# Altium PCB Audio_Research.PcbDoc (part 3 of 4)
Units mil, origin at the board's own origin, x right, y up, seen from the top; angles counter-clockwise.
Board outline 4000 x 3000 mil, 4 copper layers (Top Layer, Signal Layer 1, Signal Layer 2, Bottom Layer), stack 64.6 mil thick; 295 components, 284 nets, 1359 pads, 585 vias.
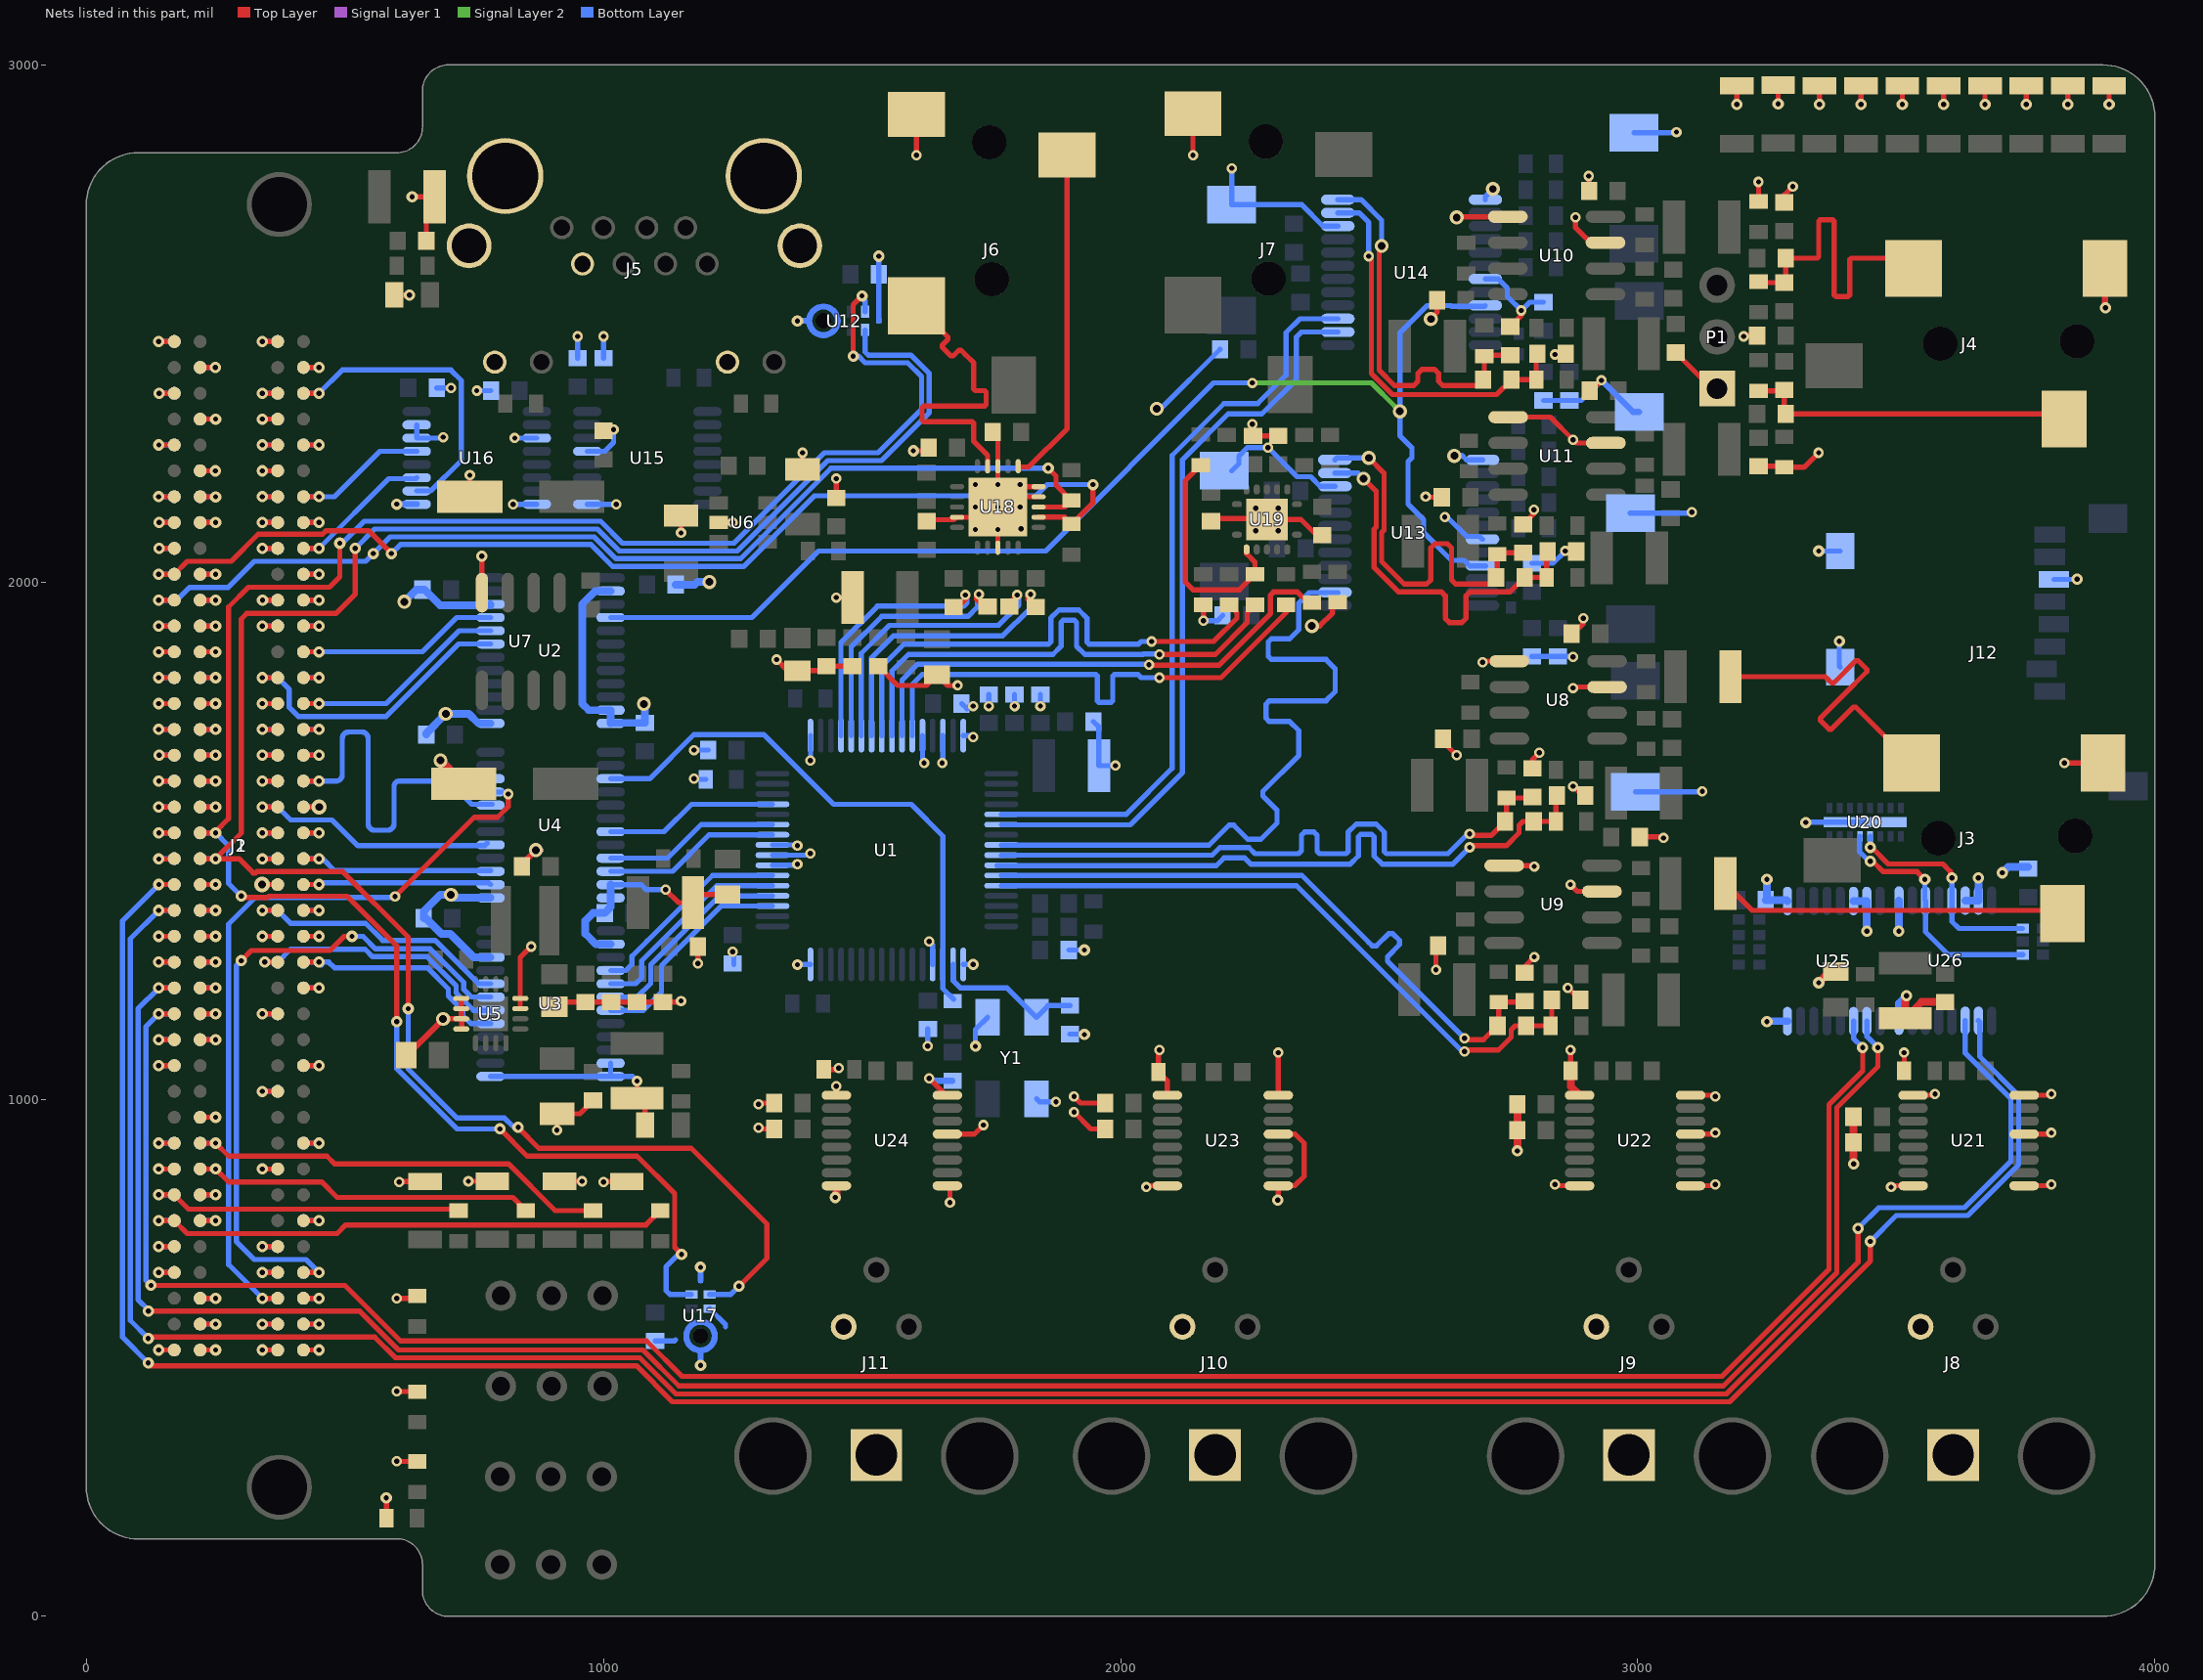
[diagram p5: the nets of this part, all layers, seen from the top]

## Via types
v1: diameter 22, hole 10, Top Layer to Bottom Layer, tented both sides, 366 vias
v2: diameter 20, hole 10, Top Layer to Bottom Layer, tented both sides, 170 vias
v3: diameter 27, hole 15, Top Layer to Bottom Layer, tented both sides, 32 vias
v4: diameter 30, hole 15, Top Layer to Bottom Layer, tented both sides, 7 vias
v5: diameter 75, hole 50, Top Layer to Bottom Layer, tented both sides, 4 vias
v6: diameter 20, hole 10, Top Layer to Bottom Layer, 3 vias
v7: diameter 35, hole 15, Top Layer to Bottom Layer, tented both sides, 3 vias

## Nets (pads, with @x,y where several pads share a name; then routed paths per layer and width w, separated by ;. In a path a pad name is that pad's centre, name@x,y a point inside that pad or via, vN(x,y) a via of type N, cw(c..) or ccw(c..) an arc to the next point about the centre after c; other vN are vias at no path point) (continued)
AGND: C1.1 C2.1 C3.1 C5.2 C7.2 C8.1 C9.1 C10.2 C11.2 C12.2 C13.1 C14.2 C15.2 C16.2 C17.2 C18.2 C19.2 C20.2 C21.2 C22.1 C23.1 C24.2 C25.1 C26.1 C27.1 C28.1 C29.1 C30.1 C31.1 C32.2 C33.1 C35.1 C36.1 C37.1 C38.1 C39.1 C40.1 C41.1 C42.1 C43.1 C44.1 C45.2 C46.2 C48.2 C49.2 C51.1 C52.2 C57.1 C58.1 C60.1 C62.2 C66.1 C67.1 C69.1 C70.2 C74.2 C75.1 C78.1 C80.2 C81.1 C84.1 C85.2 C89.2 C92.1 C93.1 C94.1 C95.1 C96.1 C97.1 C98.1 C99.1 C100.2 C103.1 C104.1 C105.1 C106.1 C107.1 C108.1 C109.2 C112.2 C113.1 C114.2 C115.2 C116.1 C117.2 C119.2 C122.2 C123.1 C126.1 C127.1 C128.2 C129.2 C130.2 C132.2 C133.2 C135.2 C136.2 C138.2 C139.2 C141.2 C142.2 C143.2 D1.2 D2.2 D3.2 D4.2 D5.2 D6.2 D7.2 D8.2 D9.2 D10.2 D11.2 D12.2 D13.2 D14.2 D15.2 D16.2 D17.2 D18.2 D19.2 J1.C1 J1.C4 J1.C5 J1.C8 J1.C9 J1.C12 J1.C13 J1.C16 J1.C17 J1.C20 J1.C21 J1.C24 J1.C25 J1.C28 J1.C29 J1.C32 J1.C33 J1.C36 J1.C38 J1.C40 J1.D2 J1.D3 J1.D6 J1.D7 J1.D10 J1.D13 J1.D16 J1.D19 J1.D22 J1.D25 J1.D28 J1.D37 J1.D39 J1.G1 J1.G4 J1.G5 J1.G8 J1.G11 J1.G14 J1.G17 J1.G20 J1.G23 J1.G26 J1.G29 J1.G32 J1.G35 J1.G38 J1.G40 J1.H3 J1.H6 J1.H9 J1.H12 J1.H15 J1.H18 J1.H21 J1.H24 J1.H27 J1.H30 J1.H33 J1.H36 J1.H39 J2.C1 J2.C4 J2.C5 J2.C8 J2.C9 J2.C12 J2.C13 J2.C16 J2.C17 J2.C20 J2.C21 J2.C24 J2.C25 J2.C28 J2.C29 J2.C32 J2.C33 J2.C36 J2.C38 J2.C40 J2.D2 J2.D3 J2.D6 J2.D7 J2.D10 J2.D13 J2.D16 J2.D19 J2.D22 J2.D25 J2.D28 J2.D37 J2.D39 J2.G1 J2.G4 J2.G5 J2.G8 J2.G11 J2.G14 J2.G17 J2.G20 J2.G23 J2.G26 J2.G29 J2.G32 J2.G35 J2.G38 J2.G40 J2.H3 J2.H6 J2.H9 J2.H12 J2.H15 J2.H18 J2.H21 J2.H24 J2.H27 J2.H30 J2.H33 J2.H36 J2.H39 J3.1 J4.1 J5.2 J5.10 J5.12 J5.13 J5.14 J6.1 J7.1 J8.1 J8.4 J9.1 J9.4 J10.1 J10.4 J11.1 J11.4 J12.6 J12.10 P1.1 R5.1 R15.2 R16.2 R19.2 R20.2 R37.1 R46.1 R66.2 R75.1 R76.2 R77.2 R78.2 R79.2 U1.1 U1.4 U1.16 U1.23 U1.24 U1.25 U1.33 U1.44 U1.46 U1.48 U2.2 U2.11 U2.12 U2.13 U2.22 U3.2 U3.11 U3.12 U3.13 U3.22 U4.11 U4.12 U4.13 U4.22 U5.5 U5.6 U5.7 U5.8 U5.15 U5.16 U6.5 U7.4 U8.3 U8.5 U9.3 U9.5 U10.3 U10.5 U11.3 U11.5 U12.3 U13.1 U13.7 U13.22 U14.1 U14.7 U14.22 U15.9 U15.13 U16.3 U16.8 U16.9 U16.14 U16.15 U17.2 U17.3 U18.3 U18.9 U18.10 U18.13 U18.19 U18.21 U19.15 U20.17 U21.1 U21.5 U21.8 U21.9 U21.16 U22.1 U22.5 U22.8 U22.9 U22.16 U23.1 U23.5 U23.8 U23.9 U23.16 U24.1 U24.5 U24.8 U24.9 U24.16 U25.8 U25.9 U25.14 U25.15 U26.8 U26.9 U26.14 U26.15 Y1.2 Y1.4 | length 17000.6
  Top Layer w10: v1(140,515) J1.C1@170,515 ; v1(140,665) J1.C4@170,665 ; v1(140,715) J1.C5@170,715 ; v1(140,865) J1.C8@170,865 ; v1(140,915) J1.C9@170,915 ; v1(140,1065) J1.C12@170,1065 ; v1(140,1115) J1.C13@170,1115 ; v1(140,1265) J1.C16@170,1265 ; v1(140,1315) J1.C17@170,1315 ; v1(140,1715) J1.C25@170,1715 ; v1(140,1865) J1.C28@170,1865 ; v1(140,1915) J1.C29@170,1915 ; v1(140,2465) J1.C40@170,2465 ; v1(140.16,1464.45) 169.45,1464.45 J1.C20@170,1465 ; v1(140.16,1515) J1.C21@170,1515 ; v1(140.16,2265) J1.C36@170,2265 ; v1(140.71,1665) J1.C24@170,1665 ; v1(140.71,2065) J1.C32@170,2065 ; v1(140.71,2115) J1.C33@170,2115 ; v1(140.71,2365) J1.C38@170,2365 ; J1.D2@220,565 v1(250,565) ; J1.D3@220,615 v1(250,615) ; J1.D6@220,765 v1(250,765) ; J1.D7@220,815 v1(250,815) ; J1.D10@220,965 v1(250,965) ; J1.D13@220,1115 v1(250,1115) ; J1.D16@220,1265 v1(250,1265) ; J1.D19@220,1415 v1(250,1415) ; J1.D22@220,1565 v1(250,1565) ; J1.D25@220,1715 v1(250,1715) ; J1.D28@220,1865 v1(250,1865) ; J1.D37@220,2315 v1(250,2315) ; J1.D39@220,2415 v1(249.68,2415) ; v1(340,515) J1.G1@370,515 ; v1(340,665) J1.G4@370,665 ; v1(340,715) J1.G5@370,715 ; v1(340,1015) J1.G11@370,1015 ; v1(340,1165) J1.G14@370,1165 ; v1(340,1315) J1.G17@370,1315 ; v1(340,1615) J1.G23@370,1615 ; v1(340,1765) J1.G26@370,1765 ; v1(340,2215) J1.G35@370,2215 ; v1(340,2365) J1.G38@370,2365 ; v1(340,2465) J1.G40@370,2465 ; v1(340.24,865) J1.G8@370,865 ; v1(340.24,1464.45) 369.45,1464.45 J1.G20@370,1465 ; v1(340.24,1915) J1.G29@370,1915 ; v1(340.24,2065) J1.G32@370,2065 ; J1.H3@420,615 v1(449.76,615) ; J1.H6@420,765 v1(449.76,765) ; J1.H9@420,915 v1(449.76,915) ; J1.H12@420,1065 v1(449.76,1065) ; J1.H15@420,1215 v1(449.76,1215) ; J1.H18@420,1365 v1(449.76,1365) ; J1.H21@420,1515 v1(450,1515) ; J1.H24@420,1665 v1(449.76,1665) ; J1.H27@420,1815 v1(449.76,1815) ; J1.H30@420,1965 v1(450,1965) ; J1.H33@420,2115 v1(449.76,2115) ; J1.H36@420,2265 v1(449.76,2265) ; J1.H39@420,2415 v1(449.76,2415) ; v1(580,229) 580.47,228.53 R15.2@580.47,190 ; D2.2@595.55,2555 v1(625,2555) ; v2(600,300) 600.47,299.53 R16.2@640,299.53 ; v2(600,435) 600.47,434.53 R19.2@640,434.53 ; v2(600,615) 600.47,614.53 R20.2@640,614.53 ; v2(605,840) 605.79,840.79 D6.2@655,840.79 ; v1(630,2745) C38.1@673.15,2745 657.56,2729.41 C37.1@657.56,2660 ; v3(690,1155) 690.31,1155.32 725.83,1155.32 U5.8@725.83,1135.63 ; U5.7@725,1155.41 U5.6@725,1175.09 U5.5@725,1194.78 ; v2(738.74,841.26) D7.2@785,841.26 ; C45.2@741.57,2165 v2(741.57,2206.57) ; U7.4@765,1979.49 v1(765,2050) ; U5.15@839.17,1175.09 U5.16@839.17,1194.78 839.17,1274.17 v6(860,1295) ; C22.1@905.2,1178.5 914.13,1187.44 C23.1@965,1187.44 C24.2@1015,1187.44 C25.1@1065,1187.44 C26.1@1115,1187.44 1147.44,1187.44 v2(1150,1190) ; v2(910,940) C29.1@910,971.85 954.41,971.85 C35.1@980,997.44 ; D8.2@915,841.26 v2(958.74,841.26) ; v2(1000,840) 1000.79,840.79 D9.2@1045,840.79 ; C46.2@1000,2294.68 v2(1019.68,2294.68) ; v2(1065,1035) C36.1@1065,1001.85 1080.55,986.3 D1.2@1080.55,950 ; v2(1120,1405) 1145,1380 C44.1@1173.15,1380 ; v2(1150,2095) C21.2@1150,2128.39 ; v2(1182.56,1262.56) C43.1@1182.56,1295 ; C44.1@1182.56,1370.59 C44.1@1173.15,1380 ; U6.5@1222.76,2115.24 1249.76,2115.24 v2(1250,2115) ; D5.2@1240,1395.55 1188.7,1395.55 C44.1@1173.15,1380 ; v2(1300,945) 1302.5,942.5 C139.2@1330.16,942.5 ; v2(1300,990) 1302.5,992.5 C141.2@1330.16,992.5 ; v2(1335,1850) 1356.5,1828.5 C30.1@1375,1828.5 1422.36,1828.5 C41.1@1431.3,1837.44 C31.1@1481.61,1837.44 ; C27.1@1385,2218.15 v2(1385,2250) ; R79.2@1426.09,1057.5 1452.5,1057.5 v2(1455,1060) ; v2(1450,1025) 1450.43,1024.57 U24.9@1450.43,1007.5 ; v2(1450,1970) C42.1@1481.85,1970 ; C28.1@1450,2162.56 v2(1450,2200) ; C32.2@1531.61,1837.44 1569.06,1800 1624.45,1800 D4.2@1645,1820.55 1665.55,1800 v2(1685,1800) ; v1(1599.27,2253.66) C119.2@1628.78,2253.66 ; v2(1605,2825) 1605.28,2825.28 J6.1@1605.28,2904.37 ; C122.2@1625,2117.56 1625,2120.55 1677.61,2120.55 1682.37,2125.31 U18.19@1683.9,2125.31 1742.95,2125.31 v1(1762.64,2145) ; v2(1630,1040) 1662.5,1007.5 U24.8@1665,1007.5 ; U24.1@1665,832.5 1670,827.5 v2(1670,800) ; U24.5@1665,932.5 1717.5,932.5 v2(1735,950) ; C123.1@1753.47,2286.8 1762.64,2277.64 U18.13@1762.64,2223.74 v1(1762.64,2188.31) v1(1762.64,2145) ; U18.3@1762.64,2067.64 v1(1762.64,2101.69) v1(1762.64,2145) ; U18.9@1840,2164.69 U18.21@1782.32,2164.69 ; U18.10@1840,2184.37 1802.01,2184.37 U18.21@1782.32,2164.69 ; v2(1910,975) 1942.5,942.5 C136.2@1970.16,942.5 ; v2(1910,1005) 1922.5,992.5 C138.2@1970.16,992.5 ; v2(2050,830) 2052.5,832.5 U23.16@2090.43,832.5 ; v2(2075,1095) 2073.19,1093.19 R78.2@2073.19,1052.5 2090.43,1035.26 U23.9@2090.43,1007.5 ; v2(2140,2825) J7.1@2140,2905.47 ; v2(2160,1925) R66.2@2160,1955.94 ; C126.1@2175,2122.91 2281.1,2122.91 U19.15@2283.07,2120.95 2349.06,2120.95 2379.65,2090.35 C128.2@2390,2090.35 ; v2(2255,2305) 2256.22,2303.78 C127.1@2256.22,2282.56 C129.2@2305,2282.56 ; v1(2304,805) 2305,806 U23.1@2305,832.5 2336.5,832.5 2355,851 2355,915 2337.5,932.5 U23.5@2305,932.5 ; U23.8@2305,1007.5 v2(2305,1090) ; v3(2370,1915) 2385,1915 2410,1940 R75.1@2410,1955.47 ; v2@2591.1,2163.9 C93.1@2621.1,2163.9 ; v3(2600,2508.46) 2600,2510 2612.44,2522.44 C81.1@2612.44,2545 ; v2(2610,1250) C67.1@2610,1293.19 ; C58.1@2623.82,1691.18 v2(2650,1665) ; v3(2650,2705) 2651.34,2706.34 U10.5@2748.86,2706.34 ; v2(2700,1845) 2702.01,1847.01 U8.5@2751.89,1847.01 ; U9.5@2741.89,1451.69 2798.31,1451.69 v2(2800,1450) ; U11.5@2749.49,2318.9 2831.1,2318.9 v2(2875,2275) 2881.1,2268.9 U11.3@2938.46,2268.9 ; C78.1@2753.35,2493.9 2775,2515.55 v2(2775,2525) ; C92.1@2778.66,2111.46 2800,2132.8 2799.46,2133.34 v2(2799.46,2140) ; C66.1@2781.38,1244.57 2781.38,1256.38 v2(2800,1275) ; C57.1@2796.38,1639.57 2796.38,1656.38 v2(2810,1670) ; v2@2837.68,2440 v2(2840,2440) C70.2@2859.85,2440 ; v2(2840,835) 2842.5,832.5 U22.16@2887.72,832.5 ; v2(2860,2060) 2857.2,2060 2856.1,2058.9 C85.2@2881.22,2058.9 ; v2@2865.94,1215 C62.2@2888.94,1192.01 ; v2(2870,1095) 2870.47,1094.53 R77.2@2870.47,1055 ; v2(2870,1415) 2883.31,1401.69 U9.3@2930.87,1401.69 ; v2(2875,1605) 2892.99,1587.01 C52.2@2898.94,1587.01 ; v2(2875,1795) 2877.01,1797.01 U8.3@2940.87,1797.01 ; C51.1@2878.82,1903.82 2895,1920 v2(2895,1930) ; v2(2880,2705) 2880,2685 2908.66,2656.34 U10.3@2937.83,2656.34 ; C69.1@2906.1,2756.34 v2@2906.1,2783.9 ; C84.1@2906.42,2373.58 2913.58,2373.58 v2(2930,2390) ; C60.1@3003.94,1507.01 v2@3047.99,1507.01 ; C75.1@3073.66,2443.78 3143.54,2373.9 P1.1@3153.66,2373.9 ; U22.1@3102.28,832.5 3147.5,832.5 v2(3150,835) ; U22.5@3102.28,932.5 3147.5,932.5 v2(3150,935) ; U22.8@3102.28,1007.5 3147.5,1007.5 v2(3150,1005) ; v1(3191.72,2923.35) D19.2@3191.72,2959.76 ; v2(3205,2475) 3206.34,2476.34 C80.2@3231.1,2476.34 ; C89.2@3233.66,2223.78 3281.69,2223.78 R46.1@3283.66,2221.81 3321.81,2221.81 v2(3350,2250) ; R37.1@3233.66,2735.87 v2(3233.66,2773.66) ; v1(3271.72,2924.45) D18.2@3271.72,2960.87 ; C74.2@3283.66,2733.9 3283.66,2748.66 v2(3300,2765) ; v1(3351.72,2923.35) D17.2@3351.72,2959.76 ; v1(3431.72,2923.35) D16.2@3431.72,2959.76 ; v2(3490,830) 3492.5,832.5 U21.16@3532.72,832.5 ; v1(3511.72,2923.35) D15.2@3511.72,2959.76 ; v2(3515,1090) 3515.47,1089.53 R76.2@3515.47,1055 ; U21.9@3532.72,1007.5 3572.5,1007.5 v2(3575,1010) ; v1(3591.72,2923.35) D14.2@3591.72,2959.76 ; v1(3671.72,2923.35) D13.2@3671.72,2959.76 ; U21.1@3747.28,832.5 3797.5,832.5 v2(3800,835) ; U21.5@3747.28,932.5 3797.5,932.5 v2(3800,935) ; U21.8@3747.28,1007.5 3797.5,1007.5 v2(3800,1010) ; v1(3751.72,2923.35) D12.2@3751.72,2959.76 ; v2(3825,1650) J3.1@3900,1650 ; v1(3831.72,2923.35) D11.2@3831.72,2959.76 ; v1(3911.72,2923.35) D10.2@3911.72,2959.76 ; v1(1762.64,2145) U18.21@1782.32,2164.69
  Top Layer w11.81: C33.1@618.5,1085 620,1085 v3(690,1155) ; C49.2@835,1450 C49.2@842.44,1450 842.44,1454.51 v3(869.43,1481.5) ; J4.1@3898.62,2611.46 J4.1@3903.74,2606.34 3903.74,2530.95 v1(3904.69,2530)
  Top Layer w15: v3@685,1660 v3(685,1655) C48.2@730,1610 ; v1(1448.58,810) 1450.43,811.85 U24.16@1450.43,832.5 ; v1(2767.44,900) C133.2@2767.44,940 C135.2@2767.44,990 ; R77.2@2870.47,1055 2870.47,1024.74 U22.9@2887.72,1007.5 ; v1(3350,1225) 3371.61,1246.61 D3.2@3383,1246.61 ; C132.2@3417.16,966.16 C130.2@3417.16,916.16 3417.16,875.32 v1(3417.47,875) ; v1(3520,1200) 3517.72,1197.72 C40.1@3517.72,1156.6 3548.93,1187.82 C39.1@3594.72,1187.82
  Signal Layer 1 w10: v2(958.74,841.26) v2@960,840 ; v2@1445,1970 v2(1450,1970)
  Signal Layer 1 w11.81: v3(869.43,1481.5) v3@878.5,1481.5
  Bottom Layer w10: v1(140,515) J2.C1@170,515 ; v1(140,665) J2.C4@170,665 ; v1(140,715) J2.C5@170,715 ; v1(140,865) J2.C8@170,865 ; v1(140,915) J2.C9@170,915 ; v1(140,1065) J2.C12@170,1065 ; v1(140,1115) J2.C13@170,1115 ; v1(140,1265) J2.C16@170,1265 ; v1(140,1315) J2.C17@170,1315 ; v1(140,1715) J2.C25@170,1715 ; v1(140,1865) J2.C28@170,1865 ; v1(140,1915) J2.C29@170,1915 ; v1(140,2465) J2.C40@170,2465 ; v1(140.16,1464.45) 140.71,1465 J2.C20@170,1465 ; v1(140.16,1515) J2.C21@170,1515 ; v1(140.16,2265) J2.C36@170,2265 ; v1(140.71,1665) J2.C24@170,1665 ; v1(140.71,2065) J2.C32@170,2065 ; v1(140.71,2115) J2.C33@170,2115 ; v1(140.71,2365) J2.C38@170,2365 ; J2.D2@220,565 v1(250,565) ; J2.D3@220,615 v1(250,615) ; J2.D6@220,765 v1(250,765) ; J2.D7@220,815 v1(250,815) ; J2.D10@220,965 v1(250,965) ; J2.D13@220,1115 v1(250,1115) ; J2.D16@220,1265 v1(250,1265) ; J2.D19@220,1415 v1(250,1415) ; J2.D22@220,1565 v1(250,1565) ; J2.D25@220,1715 v1(250,1715) ; J2.D28@220,1865 v1(250,1865) ; J2.D37@220,2315 v1(250,2315) ; J2.D39@220,2415 v1(249.68,2415) ; v1(340,515) J2.G1@370,515 ; v1(340,665) J2.G4@370,665 ; v1(340,715) J2.G5@370,715 ; v1(340,1015) J2.G11@370,1015 ; v1(340,1165) J2.G14@370,1165 ; v1(340,1315) J2.G17@370,1315 ; v1(340,1615) J2.G23@370,1615 ; v1(340,1765) J2.G26@370,1765 ; v1(340,2215) J2.G35@370,2215 ; v1(340,2365) J2.G38@370,2365 ; v1(340,2465) J2.G40@370,2465 ; v1(340.24,865) J2.G8@370,865 ; v1(340.24,1464.45) 340.79,1465 J2.G20@370,1465 ; v1(340.24,1915) J2.G29@370,1915 ; v1(340.24,2065) J2.G32@370,2065 ; J2.H3@420,615 v1(449.76,615) ; J2.H6@420,765 v1(449.76,765) ; J2.H9@420,915 v1(449.76,915) ; J2.H12@420,1065 v1(449.76,1065) ; J2.H15@420,1215 v1(449.76,1215) ; J2.H18@420,1365 v1(449.76,1365) ; J2.H21@420,1515 v1(450,1515) ; J2.H24@420,1665 v1(449.76,1665) ; J2.H27@420,1815 v1(449.76,1815) ; J2.H30@420,1965 v1(450,1965) ; J2.H33@420,2115 v1(449.76,2115) ; J2.H36@420,2265 v1(449.76,2265) ; J2.H39@420,2415 v1(449.76,2415) ; U16.15@638.86,2303.98 U16.14@638.86,2278.39 688.39,2278.39 v2(690,2280) ; C115.2@677.56,2375.47 v2@704.53,2375.47 ; v2(755,2370) C114.2@782.44,2370 ; U3.13@781.6,1043.94 U3.12@1013.89,1043.94 ; v2(825,2150) 825.43,2150.43 U16.8@871.14,2150.43 ; v2(828.39,2278.39) U16.3@871.14,2278.39 ; C113.1@950,2433.03 v2(950,2475) ; U15.9@968.86,2150.43 v2(1024.57,2150.43) ; U15.13@968.86,2252.8 1002.8,2252.8 1019.68,2269.68 v2(1019.68,2294.68) ; C112.2@1000,2433.03 v2(1000,2475) ; U3.11@1013.89,1069.53 U3.12@1013.89,1043.94 ; U4.11@1013.89,1414.84 1072.97,1414.84 1082.82,1405 v2(1120,1405) ; v2(1065,1035) 1056.06,1043.94 U3.12@1013.89,1043.94 ; C117.2@1100,532.44 1137.25,532.44 1139.49,534.68 ; v2(1175,1620) 1176.72,1618.28 R5.1@1197.76,1618.28 ; v2(1175,1675) C13.1@1202.44,1675 ; U17.2@1205.43,595 1235.94,564.49 1235.94,560 ; C14.2@1252.28,1260.72 v2@1252.28,1282.72 ; U1.23@1326.81,1452.19 1372.81,1452.19 v2(1375,1454.37) ; U1.24@1326.81,1471.87 1396.87,1471.87 v2(1400,1475) ; U1.25@1326.81,1491.56 1373.44,1491.56 v2(1375,1490) ; v2(1375,1260) 1375.46,1260.46 U1.16@1400.42,1260.46 ; v2(1400,1655) 1400.42,1655.42 U1.33@1400.42,1702.96 ; v1(1532.33,2630) 1532.56,2629.78 C116.1@1532.56,2595 1532.63,2594.93 U12.3@1532.63,2505 ; U1.44@1616.96,1702.96 1616.96,1653.04 v2(1620,1650) ; v2@1627.28,1102.28 v2(1627.28,1102.72) C12.2@1627.28,1135.72 ; v2(1630,1305) 1636.64,1298.36 U1.4@1636.64,1260.46 ; v2(1655,1650) 1656.33,1651.33 U1.46@1656.33,1702.96 ; C11.2@1692.56,1765 1702.56,1755 1707.56,1760 v2(1715,1760) ; U1.1@1695.7,1260.46 v1(1715,1260.46) ; U1.48@1695.7,1702.96 1712.04,1702.96 v2(1715,1700) ; v1(1719.33,1102.28) 1719.33,1134.82 Y1.4@1742.8,1158.28 ; v2(1745,1760) C10.2@1745,1782.56 ; v2@1795,1755 C9.1@1795,1782.56 ; Y1.2@1837.28,1000.8 1843.08,995 v2(1875,995) ; v2(1845,1760) C8.1@1845,1782.56 ; C7.2@1899.84,1288.28 v1(1930,1288.28) ; C1.1@1902.28,1125.72 1929.28,1125.72 v1(1930,1125) ; C3.1@1947.56,1730 1958.15,1719.41 C5.2@1958.15,1645 v2(1990,1645) ; v3(2070,2335) 2077.56,2335 C108.1@2192.44,2449.88 ; v2(2160,1925) 2186.97,1925 C99.1@2197.44,1935.47 ; C100.2@2215,2215 2228.66,2228.66 2228.66,2243.28 2245.38,2260 v2(2285,2260) 2341.26,2203.74 2367.45,2203.74 2386.19,2185 U13.22@2414.57,2185 ; v2(2215,2800) C109.2@2215,2729.57 2350.43,2729.57 2391.77,2688.23 U14.22@2420,2688.23 ; v2(2627,2125.63) 2631.9,2125.63 2669.14,2088.39 2694.25,2088.39 U13.7@2700,2082.64 ; v3(2645.53,2243.9) 2658.9,2243.9 2660,2245 2668.82,2236.18 U13.1@2700,2236.18 ; U14.7@2705.43,2585.87 2730.54,2585.87 2747.91,2568.49 2747.91,2552.09 v2(2775,2525) 2791.22,2541.22 C107.1@2817.72,2541.22 ; U14.1@2705.43,2739.41 2705.43,2745.43 v3(2720,2760) ; C96.1@2795.83,1856.1 C97.1@2845.83,1856.1 2873.9,1856.1 v2(2875,1855) ; C98.1@2795.83,2036.22 2836.22,2036.22 v2(2860,2060) ; C105.1@2817.72,2351.1 C106.1@2867.72,2351.1 2891.1,2351.1 v2(2930,2390) ; C95.1@2985.83,2133.23 3103.23,2133.23 v2(3105,2135) ; C104.1@2992.72,2868.66 3073.66,2868.66 v2(3075,2870) ; C94.1@2995.83,1594.09 3124.09,1594.09 v2(3125,1595) ; v1(3325,1535) 3325.56,1535.56 U20.17@3439.84,1535.56 ; v1(3350,2060) 3350.12,2059.88 J12.10@3391.54,2059.88 ; v1(3390,1885.45) 3390,1837.01 J12.10@3391.54,1835.47 ; J12.6@3804.92,2005.16 3849.33,2005.16 v1(3849.61,2005.43)
  Bottom Layer w11.81: v1(600,2150.47) 600.04,2150.43 U16.9@638.86,2150.43 ; U17.3@1187.72,514.29 1187.72,485.1 v1(1187.82,485) ; U17.3@1187.72,649.13 v1(1187.72,675) ; v1(1375,2505) U12.3@1397.79,2505 ; v2(1630,1040) 1634.28,1035.72 C2.1@1675,1035.72 ; v2(2930,2390) 2990.91,2329.09 C103.1@3002.72,2329.09
  Bottom Layer w15: v3(615,1961.85) 638.15,1985 C15.2@650,1985 653.98,1985 684.19,1954.78 781.6,1954.78 U2.22@781.6,1956.9 ; C16.2@657.44,1705 657.44,1707.44 v3(695,1745) 739.87,1745 758.29,1726.58 U2.13@781.6,1726.58 ; v3(685,1655) 720.43,1619.57 U4.22@781.6,1619.57 ; v3(705,1395.12) v3@705.12,1395 ; U3.22@781.6,1274.25 749.1,1274.25 703.57,1319.78 686.63,1319.78 656.42,1350 C17.2@652.44,1350 652.44,1362.86 684.58,1395 v3@705.12,1395 ; U4.13@781.6,1389.25 710.87,1389.25 v3@705.12,1395 ; U3.2@1013.89,1299.84 985.16,1299.84 965,1320 965,1345 980,1360 C20.2@1002.44,1360 1013.89,1371.44 U4.12@1013.89,1389.25 U4.11@1013.89,1414.84 ; U2.2@1013.89,1982.49 984.08,1982.49 958.74,1957.15 958.74,1765.12 971.68,1752.18 U2.11@1013.89,1752.18 U2.12@1013.89,1726.58 1014.86,1727.56 C19.2@1080,1727.56 1080,1762.51 v3(1078.31,1764.2) ; C18.2@1139.69,1995 1176.72,1995 1181.72,2000 v3(1205,2000) ; v1(3250,1150) 3250.86,1150.86 U25.8@3289.52,1150.86 ; v1(3250,1425) 3250,1387.44 C143.2@3247.56,1385 3287.66,1385 U25.9@3289.52,1383.14 ; U25.14@3417.47,1383.14 U25.15@3443.06,1383.14 3443.06,1325.15 v1(3443.21,1325) ; v1(3505,1325) 3505.43,1325.43 U26.9@3505.43,1383.94 ; U26.8@3505.43,1151.65 3505.43,1185.43 v1(3520,1200) ; U26.14@3633.39,1383.94 U26.15@3658.98,1383.94 v1(3658.98,1427.8) ; v1(3705.28,1437.74) 3717.01,1449.47 C142.2@3755,1449.47